# KiCad board motordecoder2-roomlight.kicad_pcb (continued)
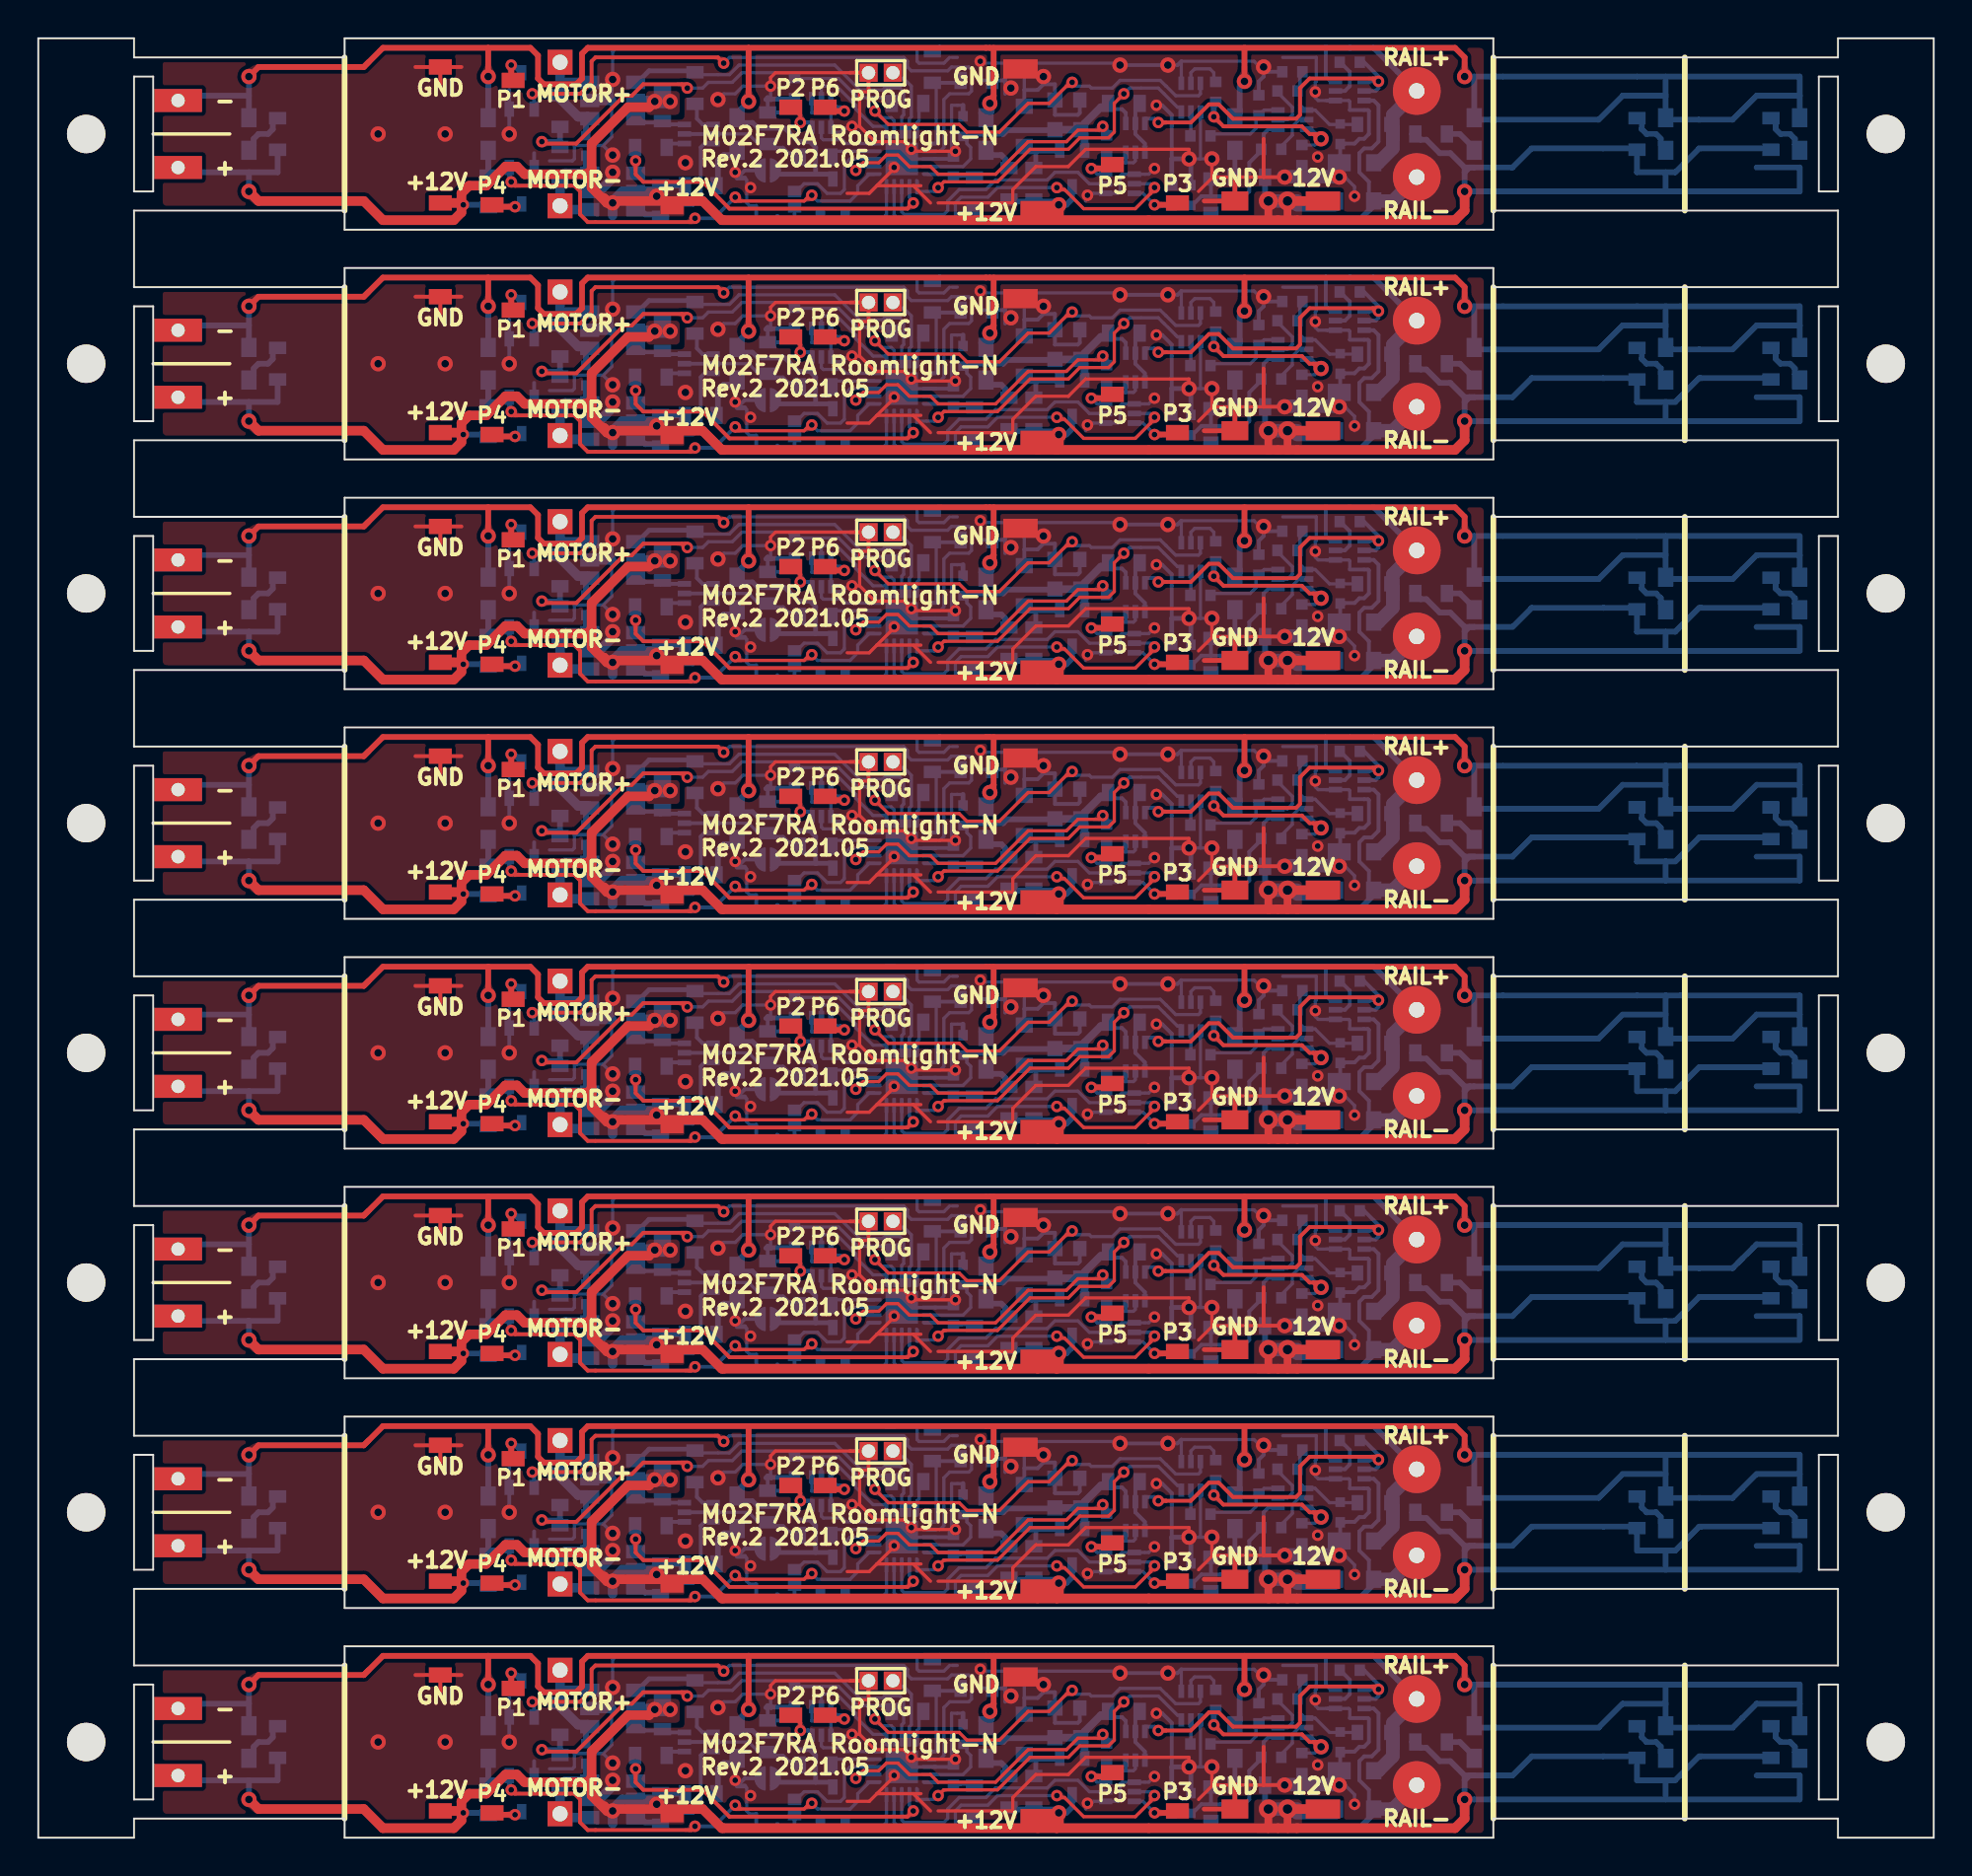
[diagram p0: board, top side]
## Nets (continued)
Net-(Q21-Pad3): Q21.3 Q21#2.3 Q21#3.3 Q21#4.3 Q21#5.3 Q21#6.3 Q21#7.3 Q21#8.3 R37.1 R37#2.1 R37#3.1 R37#4.1 R37#5.1 R37#6.1 R37#7.1 R37#8.1 R38.2 R38#2.2 R38#3.2 R38#4.2 R38#5.2 R38#6.2 R38#7.2 R38#8.2
Net-(Q21-Pad5): Q21.5 Q21#2.5 Q21#3.5 Q21#4.5 Q21#5.5 Q21#6.5 Q21#7.5 Q21#8.5 R35.1 R35#2.1 R35#3.1 R35#4.1 R35#5.1 R35#6.1 R35#7.1 R35#8.1
Net-(Q21-Pad6): Q21.6 Q21#2.6 Q21#3.6 Q21#4.6 Q21#5.6 Q21#6.6 Q21#7.6 Q21#8.6 R33.1 R33#2.1 R33#3.1 R33#4.1 R33#5.1 R33#6.1 R33#7.1 R33#8.1 R34.2 R34#2.2 R34#3.2 R34#4.2 R34#5.2 R34#6.2 R34#7.2 R34#8.2
Net-(Q22-Pad2): Q22.2 Q22#2.2 Q22#3.2 Q22#4.2 Q22#5.2 Q22#6.2 Q22#7.2 Q22#8.2 R34.1 R34#2.1 R34#3.1 R34#4.1 R34#5.1 R34#6.1 R34#7.1 R34#8.1
Net-(Q22-Pad5): Q22.5 Q22#2.5 Q22#3.5 Q22#4.5 Q22#5.5 Q22#6.5 Q22#7.5 Q22#8.5 R38.1 R38#2.1 R38#3.1 R38#4.1 R38#5.1 R38#6.1 R38#7.1 R38#8.1
Net-(R1-Pad2): R1.2 R1#2.2 R1#3.2 R1#4.2 R1#5.2 R1#6.2 R1#7.2 R1#8.2 R17.1 R17#2.1 R17#3.1 R17#4.1 R17#5.1 R17#6.1 R17#7.1 R17#8.1 U2.1 U2#2.1 U2#3.1 U2#4.1 U2#5.1 U2#6.1 U2#7.1 U2#8.1
Net-(R10-Pad1): R9.1 R9#2.1 R9#3.1 R9#4.1 R9#5.1 R9#6.1 R9#7.1 R9#8.1 R10.1 R10#2.1 R10#3.1 R10#4.1 R10#5.1 R10#6.1 R10#7.1 R10#8.1 R11.2 R11#2.2 R11#3.2 R11#4.2 R11#5.2 R11#6.2 R11#7.2 R11#8.2 R16.1 R16#2.1 R16#3.1 R16#4.1 R16#5.1 R16#6.1 R16#7.1 R16#8.1
Net-(R18-Pad1): R2.2 R2#2.2 R2#3.2 R2#4.2 R2#5.2 R2#6.2 R2#7.2 R2#8.2 R18.1 R18#2.1 R18#3.1 R18#4.1 R18#5.1 R18#6.1 R18#7.1 R18#8.1 U2.5 U2#2.5 U2#3.5 U2#4.5 U2#5.5 U2#6.5 U2#7.5 U2#8.5

## Via types
v1: diameter 0.8, hole 0.4, Top to Bottom, 248 vias
v2: diameter 1, hole 0.5, Top to Bottom, 16 vias
v3: diameter 0.6, hole 0.3, Top to Bottom, 336 vias

## Routing (per net, layer and track width the routed paths; a pad name or vN(x,y) marks a point on that pad's centre or on a via; arc(x,y) is an arc through that point)
+5V: length 130
  Bottom w0.17: 48.5,76.9 48.5,76.6 ; 48.5,64.9 48.5,64.6 ; 48.5,52.9 48.5,52.6 ; 48.5,40.9 48.5,40.6 ; 48.5,28.9 48.5,28.6 ; 48.5,16.9 48.5,16.6 ; 48.5,4.9 48.5,4.6 ; C5#2.1 48.5,76.67 48.5,76.5 48.7,76.3 48.7,75.7 48.3,75.3 U2#2.4 ; C5#3.1 48.5,64.67 48.5,64.5 48.7,64.3 48.7,63.7 48.3,63.3 U2#3.4 ; C5#4.1 48.5,52.67 48.5,52.5 48.7,52.3 48.7,51.7 48.3,51.3 U2#4.4 ; C5#5.1 48.5,40.67 48.5,40.5 48.7,40.3 48.7,39.7 48.3,39.3 U2#5.4 ; C5#6.1 48.5,28.67 48.5,28.5 48.7,28.3 48.7,27.7 48.3,27.3 U2#6.4 ; C5#7.1 48.5,16.67 48.5,16.5 48.7,16.3 48.7,15.7 48.3,15.3 U2#7.4 ; C5#8.1 48.5,4.67 48.5,4.5 48.7,4.3 48.7,3.7 48.3,3.3 U2#8.4 ; 48.5,88.9 48.5,88.6 ; U2.4 48.3,87.3 48.7,87.7 48.7,88.3 48.5,88.5 48.5,88.67 C5.1
  Bottom w0.2: R14#2.2 56.18,78.3 56.6,78.3 56.8,78.1 Q6#2.1 ; R14#3.2 56.18,66.3 56.6,66.3 56.8,66.1 Q6#3.1 ; R14#4.2 56.18,54.3 56.6,54.3 56.8,54.1 Q6#4.1 ; R14#5.2 56.18,42.3 56.6,42.3 56.8,42.1 Q6#5.1 ; R14#6.2 56.18,30.3 56.6,30.3 56.8,30.1 Q6#6.1 ; R14#7.2 56.18,18.3 56.6,18.3 56.8,18.1 Q6#7.1 ; R14#8.2 56.18,6.3 56.6,6.3 56.8,6.1 Q6#8.1 ; 48.7,77 48.5,76.8 48.5,77 ; 48.7,65 48.5,64.8 48.5,65 ; 48.7,53 48.5,52.8 48.5,53 ; 48.7,41 48.5,40.8 48.5,41 ; 48.7,29 48.5,28.8 48.5,29 ; 48.7,17 48.5,16.8 48.5,17 ; 48.7,5 48.5,4.8 48.5,5 ; 48.4,76.78 C5#2.1 ; 48.4,64.78 C5#3.1 ; 48.4,52.78 C5#4.1 ; 48.4,40.78 C5#5.1 ; 48.4,28.78 C5#6.1 ; 48.4,16.78 C5#7.1 ; 48.4,4.78 C5#8.1 ; 48.4,88.78 C5.1 ; 48.5,89 48.5,88.8 48.7,89 ; Q6.1 56.8,90.1 56.6,90.3 56.18,90.3 R14.2
  Bottom w0.3: C3#2.1 53.07,77.2 50.6,77.2 50.4,77 48.43,77 C5#2.1 ; C3#3.1 53.07,65.2 50.6,65.2 50.4,65 48.43,65 C5#3.1 ; C3#4.1 53.07,53.2 50.6,53.2 50.4,53 48.43,53 C5#4.1 ; C3#5.1 53.07,41.2 50.6,41.2 50.4,41 48.43,41 C5#5.1 ; C3#6.1 53.07,29.2 50.6,29.2 50.4,29 48.43,29 C5#6.1 ; C3#7.1 53.07,17.2 50.6,17.2 50.4,17 48.43,17 C5#7.1 ; C3#8.1 53.07,5.2 50.6,5.2 50.4,5 48.43,5 C5#8.1 ; C5.1 48.43,89 50.4,89 50.6,89.2 53.07,89.2 C3.1
  Bottom w0.4: R14#2.2 55.68,78.4 55.5,78.4 54.65,77.55 54.65,76.75 ; R14#3.2 55.68,66.4 55.5,66.4 54.65,65.55 54.65,64.75 ; R14#4.2 55.68,54.4 55.5,54.4 54.65,53.55 54.65,52.75 ; R14#5.2 55.68,42.4 55.5,42.4 54.65,41.55 54.65,40.75 ; R14#6.2 55.68,30.4 55.5,30.4 54.65,29.55 54.65,28.75 ; R14#7.2 55.68,18.4 55.5,18.4 54.65,17.55 54.65,16.75 ; R14#8.2 55.68,6.4 55.5,6.4 54.65,5.55 54.65,4.75 ; 54.65,76.75 Q5#2.2 ; 54.65,76.75 54.65,76.97 C4#2.1 C3#2.1 53.03,77.3 ; 54.65,64.75 Q5#3.2 ; 54.65,64.75 54.65,64.97 C4#3.1 C3#3.1 53.03,65.3 ; 54.65,52.75 Q5#4.2 ; 54.65,52.75 54.65,52.97 C4#4.1 C3#4.1 53.03,53.3 ; 54.65,40.75 Q5#5.2 ; 54.65,40.75 54.65,40.97 C4#5.1 C3#5.1 53.03,41.3 ; 54.65,28.75 Q5#6.2 ; 54.65,28.75 54.65,28.97 C4#6.1 C3#6.1 53.03,29.3 ; 54.65,16.75 Q5#7.2 ; 54.65,16.75 54.65,16.97 C4#7.1 C3#7.1 53.03,17.3 ; 54.65,4.75 Q5#8.2 ; 54.65,4.75 54.65,4.97 C4#8.1 C3#8.1 53.03,5.3 ; Q5.2 54.65,88.75 ; 54.65,88.75 54.65,88.97 C4.1 C3.1 53.03,89.3 ; 54.65,88.75 54.65,89.55 55.5,90.4 55.68,90.4 R14.2
+12V: length 1236.4
  Top w0.25: 28.6,74.8 28.8,74.6 ; 28.6,62.8 28.8,62.6 ; 28.6,50.8 28.8,50.6 ; 28.6,38.8 28.8,38.6 ; 28.6,26.8 28.8,26.6 ; 28.6,14.8 28.8,14.6 ; 28.6,2.8 28.8,2.6 ; 28.6,75 28.8,75.2 ; 28.6,63 28.8,63.2 ; 28.6,51 28.8,51.2 ; 28.6,39 28.8,39.2 ; 28.6,27 28.8,27.2 ; 28.6,15 28.8,15.2 ; 28.6,3 28.8,3.2 ; J15#2.1 52.2,72.5 ; J15#3.1 52.2,60.5 ; J15#4.1 52.2,48.5 ; J15#5.1 52.2,36.5 ; J15#6.1 52.2,24.5 ; J15#7.1 52.2,12.5 ; J15#8.1 52.2,0.5 ; 28.6,87 28.8,87.2 ; J15.1 52.2,84.5 ; 28.6,86.8 28.8,86.6
  Top w0.4: v2(65.25,73.5) 65.25,72.5 ; v2(65.25,61.5) 65.25,60.5 ; v2(65.25,49.5) 65.25,48.5 ; v2(65.25,37.5) 65.25,36.5 ; v2(65.25,25.5) 65.25,24.5 ; v2(65.25,13.5) 65.25,12.5 ; v2(65.25,1.5) 65.25,0.5 ; v2(64.25,73.5) 64.25,72.5 ; v2(64.25,61.5) 64.25,60.5 ; v2(64.25,49.5) 64.25,48.5 ; v2(64.25,37.5) 64.25,36.5 ; v2(64.25,25.5) 64.25,24.5 ; v2(64.25,13.5) 64.25,12.5 ; v2(64.25,1.5) 64.25,0.5 ; v2(65.25,85.5) 65.25,84.5 ; v2(64.25,85.5) 64.25,84.5
  Top w0.5: v1(74.5,74) 74.5,73 74,72.5 53.2,72.5 ; v1(74.5,62) 74.5,61 74,60.5 53.2,60.5 ; v1(74.5,50) 74.5,49 74,48.5 53.2,48.5 ; v1(74.5,38) 74.5,37 74,36.5 53.2,36.5 ; v1(74.5,26) 74.5,25 74,24.5 53.2,24.5 ; v1(74.5,14) 74.5,13 74,12.5 53.2,12.5 ; v1(74.5,2) 74.5,1 74,0.5 53.2,0.5 ; 53.2,72.5 53.3,72.6 53.3,73.2 ; 53.2,72.5 35.7,72.5 34.7,73.5 30.1,73.5 v1(30,73.4) ; 53.2,60.5 53.3,60.6 53.3,61.2 ; 53.2,60.5 35.7,60.5 34.7,61.5 30.1,61.5 v1(30,61.4) ; 53.2,48.5 53.3,48.6 53.3,49.2 ; 53.2,48.5 35.7,48.5 34.7,49.5 30.1,49.5 v1(30,49.4) ; 53.2,36.5 53.3,36.6 53.3,37.2 ; 53.2,36.5 35.7,36.5 34.7,37.5 30.1,37.5 v1(30,37.4) ; 53.2,24.5 53.3,24.6 53.3,25.2 ; 53.2,24.5 35.7,24.5 34.7,25.5 30.1,25.5 v1(30,25.4) ; 53.2,12.5 53.3,12.6 53.3,13.2 ; 53.2,12.5 35.7,12.5 34.7,13.5 30.1,13.5 v1(30,13.4) ; 53.2,0.5 53.3,0.6 53.3,1.2 ; 53.2,0.5 35.7,0.5 34.7,1.5 30.1,1.5 v1(30,1.4) ; 28.5,74.9 28.6,74.9 ; 28.5,74.9 28.9,74.9 ; 28.5,74.9 25.4,74.9 25,75.3 24.4,75.3 23.4,74.3 22.5,74.3 22.1,73.9 22.1,72.9 21.7,72.5 18,72.5 17,73.5 11.5,73.5 v1(11,74) ; 28.5,62.9 28.6,62.9 ; 28.5,62.9 28.9,62.9 ; 28.5,62.9 25.4,62.9 25,63.3 24.4,63.3 23.4,62.3 22.5,62.3 22.1,61.9 22.1,60.9 21.7,60.5 18,60.5 17,61.5 11.5,61.5 v1(11,62) ; 28.5,50.9 28.6,50.9 ; 28.5,50.9 28.9,50.9 ; 28.5,50.9 25.4,50.9 25,51.3 24.4,51.3 23.4,50.3 22.5,50.3 22.1,49.9 22.1,48.9 21.7,48.5 18,48.5 17,49.5 11.5,49.5 v1(11,50) ; 28.5,38.9 28.6,38.9 ; 28.5,38.9 28.9,38.9 ; 28.5,38.9 25.4,38.9 25,39.3 24.4,39.3 23.4,38.3 22.5,38.3 22.1,37.9 22.1,36.9 21.7,36.5 18,36.5 17,37.5 11.5,37.5 v1(11,38) ; 28.5,26.9 28.6,26.9 ; 28.5,26.9 28.9,26.9 ; 28.5,26.9 25.4,26.9 25,27.3 24.4,27.3 23.4,26.3 22.5,26.3 22.1,25.9 22.1,24.9 21.7,24.5 18,24.5 17,25.5 11.5,25.5 v1(11,26) ; 28.5,14.9 28.6,14.9 ; 28.5,14.9 28.9,14.9 ; 28.5,14.9 25.4,14.9 25,15.3 24.4,15.3 23.4,14.3 22.5,14.3 22.1,13.9 22.1,12.9 21.7,12.5 18,12.5 17,13.5 11.5,13.5 v1(11,14) ; 28.5,2.9 28.6,2.9 ; 28.5,2.9 28.9,2.9 ; 28.5,2.9 25.4,2.9 25,3.3 24.4,3.3 23.4,2.3 22.5,2.3 22.1,1.9 22.1,0.9 21.7,0.5 18,0.5 17,1.5 11.5,1.5 v1(11,2) ; 28.9,74.9 28.9,76.5 30.8,78.4 31.9,78.4 v1(32.2,78.7) ; 28.9,74.9 28.9,74.2 29.7,73.4 v1(30,73.4) ; 28.9,62.9 28.9,64.5 30.8,66.4 31.9,66.4 v1(32.2,66.7) ; 28.9,62.9 28.9,62.2 29.7,61.4 v1(30,61.4) ; 28.9,50.9 28.9,52.5 30.8,54.4 31.9,54.4 v1(32.2,54.7) ; 28.9,50.9 28.9,50.2 29.7,49.4 v1(30,49.4) ; 28.9,38.9 28.9,40.5 30.8,42.4 31.9,42.4 v1(32.2,42.7) ; 28.9,38.9 28.9,38.2 29.7,37.4 v1(30,37.4) ; 28.9,26.9 28.9,28.5 30.8,30.4 31.9,30.4 v1(32.2,30.7) ; 28.9,26.9 28.9,26.2 29.7,25.4 v1(30,25.4) ; 28.9,14.9 28.9,16.5 30.8,18.4 31.9,18.4 v1(32.2,18.7) ; 28.9,14.9 28.9,14.2 29.7,13.4 v1(30,13.4) ; 28.9,2.9 28.9,4.5 30.8,6.4 31.9,6.4 v1(32.2,6.7) ; 28.9,2.9 28.9,2.2 29.7,1.4 v1(30,1.4) ; 67.2,73.5 v2(65.25,73.5) ; 67.2,61.5 v2(65.25,61.5) ; 67.2,49.5 v2(65.25,49.5) ; 67.2,37.5 v2(65.25,37.5) ; 67.2,25.5 v2(65.25,25.5) ; 67.2,13.5 v2(65.25,13.5) ; 67.2,1.5 v2(65.25,1.5) ; v1(30,73.4) 29.9,73.4 ; v1(30,73.4) 29.8,73.4 29.55,73.65 29.9,73.3 ; v1(30,61.4) 29.9,61.4 ; v1(30,61.4) 29.8,61.4 29.55,61.65 29.9,61.3 ; v1(30,49.4) 29.9,49.4 ; v1(30,49.4) 29.8,49.4 29.55,49.65 29.9,49.3 ; v1(30,37.4) 29.9,37.4 ; v1(30,37.4) 29.8,37.4 29.55,37.65 29.9,37.3 ; v1(30,25.4) 29.9,25.4 ; v1(30,25.4) 29.8,25.4 29.55,25.65 29.9,25.3 ; v1(30,13.4) 29.9,13.4 ; v1(30,13.4) 29.8,13.4 29.55,13.65 29.9,13.3 ; v1(30,1.4) 29.9,1.4 ; v1(30,1.4) 29.8,1.4 29.55,1.65 29.9,1.3 ; v3(22.2,73.3) 22.1,73.4 P10#2.1 ; v3(22.2,61.3) 22.1,61.4 P10#3.1 ; v3(22.2,49.3) 22.1,49.4 P10#4.1 ; v3(22.2,37.3) 22.1,37.4 P10#5.1 ; v3(22.2,25.3) 22.1,25.4 P10#6.1 ; v3(22.2,13.3) 22.1,13.4 P10#7.1 ; v3(22.2,1.3) 22.1,1.4 P10#8.1 ; 29.9,85.4 v1(30,85.4) ; v1(30,85.4) 29.8,85.4 29.55,85.65 29.9,85.3 ; v1(30,85.4) 29.7,85.4 28.9,86.2 28.9,86.9 ; v1(30,85.4) 30.1,85.5 34.7,85.5 35.7,84.5 53.2,84.5 ; 28.5,86.9 25.4,86.9 25,87.3 24.4,87.3 23.4,86.3 22.5,86.3 22.1,85.9 22.1,84.9 21.7,84.5 18,84.5 17,85.5 11.5,85.5 v1(11,86) ; 28.5,86.9 28.6,86.9 ; 28.5,86.9 28.9,86.9 ; 67.2,85.5 v2(65.25,85.5) ; 28.9,86.9 28.9,88.5 30.8,90.4 31.9,90.4 v1(32.2,90.7) ; 53.2,84.5 53.3,84.6 53.3,85.2 ; 53.2,84.5 74,84.5 74.5,85 v1(74.5,86) ; v3(22.2,85.3) 22.1,85.4 P10.1
  Bottom w0.3: 75,75.25 77,75.25 78,76.25 83.5,76.25 ; 75,75.25 74.5,75.25 ; 75,75.25 74.75,75.25 74.5,75 ; 75,63.25 77,63.25 78,64.25 83.5,64.25 ; 75,63.25 74.5,63.25 ; 75,63.25 74.75,63.25 74.5,63 ; 75,51.25 77,51.25 78,52.25 83.5,52.25 ; 75,51.25 74.5,51.25 ; 75,51.25 74.75,51.25 74.5,51 ; 75,39.25 77,39.25 78,40.25 83.5,40.25 ; 75,39.25 74.5,39.25 ; 75,39.25 74.75,39.25 74.5,39 ; 75,27.25 77,27.25 78,28.25 83.5,28.25 ; 75,27.25 74.5,27.25 ; 75,27.25 74.75,27.25 74.5,27 ; 75,15.25 77,15.25 78,16.25 83.5,16.25 ; 75,15.25 74.5,15.25 ; 75,15.25 74.75,15.25 74.5,15 ; 75,3.25 77,3.25 78,4.25 83.5,4.25 ; 75,3.25 74.5,3.25 ; 75,3.25 74.75,3.25 74.5,3 ; 74.5,75.25 74.5,75 ; 74.5,75.25 73.75,76 73.2,76 72.5,76.7 72.22,76.7 R43#2.1 71.75,77 ; 74.5,75 v1(74.5,74) 85,74 ; 74.5,63.25 74.5,63 ; 74.5,63.25 73.75,64 73.2,64 72.5,64.7 72.22,64.7 R43#3.1 71.75,65 ; 74.5,63 v1(74.5,62) 85,62 ; 74.5,51.25 74.5,51 ; 74.5,51.25 73.75,52 73.2,52 72.5,52.7 72.22,52.7 R43#4.1 71.75,53 ; 74.5,51 v1(74.5,50) 85,50 ; 74.5,39.25 74.5,39 ; 74.5,39.25 73.75,40 73.2,40 72.5,40.7 72.22,40.7 R43#5.1 71.75,41 ; 74.5,39 v1(74.5,38) 85,38 ; 74.5,27.25 74.5,27 ; 74.5,27.25 73.75,28 73.2,28 72.5,28.7 72.22,28.7 R43#6.1 71.75,29 ; 74.5,27 v1(74.5,26) 85,26 ; 74.5,15.25 74.5,15 ; 74.5,15.25 73.75,16 73.2,16 72.5,16.7 72.22,16.7 R43#7.1 71.75,17 ; 74.5,15 v1(74.5,14) 85,14 ; 74.5,3.25 74.5,3 ; 74.5,3.25 73.75,4 73.2,4 72.5,4.7 72.22,4.7 R43#8.1 71.75,5 ; 74.5,3 v1(74.5,2) 85,2 ; 85,75 85.5,75 86.75,76.25 90.5,76.25 ; 85,75 83.5,75 R42#2.1 ; 85,75 85,74 ; 85,63 85.5,63 86.75,64.25 90.5,64.25 ; 85,63 83.5,63 R42#3.1 ; 85,63 85,62 ; 85,51 85.5,51 86.75,52.25 90.5,52.25 ; 85,51 83.5,51 R42#4.1 ; 85,51 85,50 ; 85,39 85.5,39 86.75,40.25 90.5,40.25 ; 85,39 83.5,39 R42#5.1 ; 85,39 85,38 ; 85,27 85.5,27 86.75,28.25 90.5,28.25 ; 85,27 83.5,27 R42#6.1 ; 85,27 85,26 ; 85,15 85.5,15 86.75,16.25 90.5,16.25 ; 85,15 83.5,15 R42#7.1 ; 85,15 85,14 ; 85,3 85.5,3 86.75,4.25 90.5,4.25 ; 85,3 83.5,3 R42#8.1 ; 85,3 85,2 ; 85,74 92,74 92,75.25 89.75,75.25 ; 85,62 92,62 92,63.25 89.75,63.25 ; 85,50 92,50 92,51.25 89.75,51.25 ; 85,38 92,38 92,39.25 89.75,39.25 ; 85,26 92,26 92,27.25 89.75,27.25 ; 85,14 92,14 92,15.25 89.75,15.25 ; 85,2 92,2 92,3.25 89.75,3.25 ; v1(11,74) 11,75 ; 11,75 12.5,75 12.5,76.25 ; 11,75 8,75 7.75,75.25 ; v1(11,62) 11,63 ; 11,63 12.5,63 12.5,64.25 ; 11,63 8,63 7.75,63.25 ; v1(11,50) 11,51 ; 11,51 12.5,51 12.5,52.25 ; 11,51 8,51 7.75,51.25 ; v1(11,38) 11,39 ; 11,39 12.5,39 12.5,40.25 ; 11,39 8,39 7.75,39.25 ; v1(11,26) 11,27 ; 11,27 12.5,27 12.5,28.25 ; 11,27 8,27 7.75,27.25 ; v1(11,14) 11,15 ; 11,15 12.5,15 12.5,16.25 ; 11,15 8,15 7.75,15.25 ; v1(11,2) 11,3 ; 11,3 12.5,3 12.5,4.25 ; 11,3 8,3 7.75,3.25 ; 23.58,73.17 R47#2.1 23.38,73.3 v3(22.2,73.3) ; 23.58,61.17 R47#3.1 23.38,61.3 v3(22.2,61.3) ; 23.58,49.17 R47#4.1 23.38,49.3 v3(22.2,49.3) ; 23.58,37.17 R47#5.1 23.38,37.3 v3(22.2,37.3) ; 23.58,25.17 R47#6.1 23.38,25.3 v3(22.2,25.3) ; 23.58,13.17 R47#7.1 23.38,13.3 v3(22.2,13.3) ; 23.58,1.17 R47#8.1 23.38,1.3 v3(22.2,1.3) ; Q5#2.3 54,73.6 53.7,73.3 v1(53.3,73.3) 53.12,73.47 50.7,73.47 ; Q5#3.3 54,61.6 53.7,61.3 v1(53.3,61.3) 53.12,61.47 50.7,61.47 ; Q5#4.3 54,49.6 53.7,49.3 v1(53.3,49.3) 53.12,49.47 50.7,49.47 ; Q5#5.3 54,37.6 53.7,37.3 v1(53.3,37.3) 53.12,37.47 50.7,37.47 ; Q5#6.3 54,25.6 53.7,25.3 v1(53.3,25.3) 53.12,25.47 50.7,25.47 ; Q5#7.3 54,13.6 53.7,13.3 v1(53.3,13.3) 53.12,13.47 50.7,13.47 ; Q5#8.3 54,1.6 53.7,1.3 v1(53.3,1.3) 53.12,1.47 50.7,1.47 ; v2(64.25,73.5) 64.07,73.67 R44#2.1 ; v2(64.25,61.5) 64.07,61.67 R44#3.1 ; v2(64.25,49.5) 64.07,49.67 R44#4.1 ; v2(64.25,37.5) 64.07,37.67 R44#5.1 ; v2(64.25,25.5) 64.07,25.67 R44#6.1 ; v2(64.25,13.5) 64.07,13.67 R44#7.1 ; v2(64.25,1.5) 64.07,1.67 R44#8.1 ; R4#2.1 32.53,74.3 R46#2.1 ; R4#3.1 32.53,62.3 R46#3.1 ; R4#4.1 32.53,50.3 R46#4.1 ; R4#5.1 32.53,38.3 R46#5.1 ; R4#6.1 32.53,26.3 R46#6.1 ; R4#7.1 32.53,14.3 R46#7.1 ; R4#8.1 32.53,2.3 R46#8.1 ; v1(33,78.7) 32.58,79.12 32.5,79.12 32.5,79 v1(32.2,78.7) ; v1(33,66.7) 32.58,67.12 32.5,67.12 32.5,67 v1(32.2,66.7) ; v1(33,54.7) 32.58,55.12 32.5,55.12 32.5,55 v1(32.2,54.7) ; v1(33,42.7) 32.58,43.12 32.5,43.12 32.5,43 v1(32.2,42.7) ; v1(33,30.7) 32.58,31.12 32.5,31.12 32.5,31 v1(32.2,30.7) ; v1(33,18.7) 32.58,19.12 32.5,19.12 32.5,19 v1(32.2,18.7) ; v1(33,6.7) 32.58,7.12 32.5,7.12 32.5,7 v1(32.2,6.7) ; v2(64.25,85.5) 64.07,85.67 R44.1 ; 75,87.25 74.75,87.25 74.5,87 ; 75,87.25 77,87.25 78,88.25 83.5,88.25 ; 75,87.25 74.5,87.25 ; 11,87 8,87 7.75,87.25 ; 11,87 v1(11,86) ; 11,87 12.5,87 12.5,88.25 ; 74.5,87.25 74.5,87 ; 74.5,87.25 73.75,88 73.2,88 72.5,88.7 72.22,88.7 R43.1 71.75,89 ; 74.5,87 v1(74.5,86) 85,86 ; 85,86 92,86 92,87.25 89.75,87.25 ; 85,86 85,87 ; 90.5,88.25 86.75,88.25 85.5,87 85,87 ; Q5.3 54,85.6 53.7,85.3 v1(53.3,85.3) 53.12,85.47 50.7,85.47 ; R4.1 32.53,86.3 R46.1 ; R42.1 83.5,87 85,87 ; v1(32.2,90.7) 32.5,91 32.5,91.12 32.58,91.12 v1(33,90.7) ; v3(22.2,85.3) 23.38,85.3 R47.1 23.58,85.17
  Bottom w0.4: v1(32.3,73.75) 32.5,73.95 R4#2.1 ; v1(32.3,61.75) 32.5,61.95 R4#3.1 ; v1(32.3,49.75) 32.5,49.95 R4#4.1 ; v1(32.3,37.75) 32.5,37.95 R4#5.1 ; v1(32.3,25.75) 32.5,25.95 R4#6.1 ; v1(32.3,13.75) 32.5,13.95 R4#7.1 ; v1(32.3,1.75) 32.5,1.95 R4#8.1 ; R4.1 32.5,85.95 v1(32.3,85.75)
  Bottom w0.5: 30,72.75 30,73.5 30.5,74 Q2#2.2 32.17,74 R4#2.1 ; 30,60.75 30,61.5 30.5,62 Q2#3.2 32.17,62 R4#3.1 ; 30,48.75 30,49.5 30.5,50 Q2#4.2 32.17,50 R4#4.1 ; 30,36.75 30,37.5 30.5,38 Q2#5.2 32.17,38 R4#5.1 ; 30,24.75 30,25.5 30.5,26 Q2#6.2 32.17,26 R4#6.1 ; 30,12.75 30,13.5 30.5,14 Q2#7.2 32.17,14 R4#7.1 ; 30,0.75 30,1.5 30.5,2 Q2#8.2 32.17,2 R4#8.1 ; Q1#2.2 31.95,78.75 32,78.7 v1(32.2,78.7) ; Q1#3.2 31.95,66.75 32,66.7 v1(32.2,66.7) ; Q1#4.2 31.95,54.75 32,54.7 v1(32.2,54.7) ; Q1#5.2 31.95,42.75 32,42.7 v1(32.2,42.7) ; Q1#6.2 31.95,30.75 32,30.7 v1(32.2,30.7) ; Q1#7.2 31.95,18.75 32,18.7 v1(32.2,18.7) ; Q1#8.2 31.95,6.75 32,6.7 v1(32.2,6.7) ; 30,84.75 30,85.5 30.5,86 Q2.2 32.17,86 R4.1 ; Q1.2 31.95,90.75 32,90.7 v1(32.2,90.7)
  Bottom w0.7: 67.75,73.3 65.75,73.3 ; 67.75,61.3 65.75,61.3 ; 67.75,49.3 65.75,49.3 ; 67.75,37.3 65.75,37.3 ; 67.75,25.3 65.75,25.3 ; 67.75,13.3 65.75,13.3 ; 67.75,1.3 65.75,1.3 ; v2(65.25,73.5) v2(64.25,73.5) ; v2(65.25,61.5) v2(64.25,61.5) ; v2(65.25,49.5) v2(64.25,49.5) ; v2(65.25,37.5) v2(64.25,37.5) ; v2(65.25,25.5) v2(64.25,25.5) ; v2(65.25,13.5) v2(64.25,13.5) ; v2(65.25,1.5) v2(64.25,1.5) ; 65.75,73.5 65,73.5 ; 65.75,61.5 65,61.5 ; 65.75,49.5 65,49.5 ; 65.75,37.5 65,37.5 ; 65.75,25.5 65,25.5 ; 65.75,13.5 65,13.5 ; 65.75,1.5 65,1.5 ; v1(32.2,78.7) v1(33,78.7) ; v1(32.2,66.7) v1(33,66.7) ; v1(32.2,54.7) v1(33,54.7) ; v1(32.2,42.7) v1(33,42.7) ; v1(32.2,30.7) v1(33,30.7) ; v1(32.2,18.7) v1(33,18.7) ; v1(32.2,6.7) v1(33,6.7) ; v1(32.2,90.7) v1(33,90.7) ; v2(65.25,85.5) v2(64.25,85.5) ; 65.75,85.5 65,85.5 ; 67.75,85.3 65.75,85.3
GND: length 1406.5
  Top w0.17: v1(61.3,75.7) 61.3,74.8 61.35,74.75 ; v1(61.3,63.7) 61.3,62.8 61.35,62.75 ; v1(61.3,51.7) 61.3,50.8 61.35,50.75 ; v1(61.3,39.7) 61.3,38.8 61.35,38.75 ; v1(61.3,27.7) 61.3,26.8 61.35,26.75 ; v1(61.3,15.7) 61.3,14.8 61.35,14.75 ; v1(61.3,3.7) 61.3,2.8 61.35,2.75 ; 60.6,74 61.35,74.75 ; 61.35,74.75 64,74.75 ; 60.6,62 61.35,62.75 ; 61.35,62.75 64,62.75 ; 60.6,50 61.35,50.75 ; 61.35,50.75 64,50.75 ; 60.6,38 61.35,38.75 ; 61.35,38.75 64,38.75 ; 60.6,26 61.35,26.75 ; 61.35,26.75 64,26.75 ; 60.6,14 61.35,14.75 ; 61.35,14.75 64,14.75 ; 60.6,2 61.35,2.75 ; 61.35,2.75 64,2.75 ; 43.8,74.3 46.1,74.3 ; 43.8,74.3 43.4,73.9 42.25,73.9 ; 43.8,74.3 44.7,75.2 44.7,75.3 v3(44.7,75.25) ; 43.8,62.3 46.1,62.3 ; 43.8,62.3 43.4,61.9 42.25,61.9 ; 43.8,62.3 44.7,63.2 44.7,63.3 v3(44.7,63.26) ; 43.8,50.3 46.1,50.3 ; 43.8,50.3 43.4,49.9 42.25,49.9 ; 43.8,50.3 44.7,51.2 44.7,51.3 v3(44.7,51.25) ; 43.8,38.3 46.1,38.3 ; 43.8,38.3 43.4,37.9 42.25,37.9 ; 43.8,38.3 44.7,39.2 44.7,39.3 v3(44.7,39.25) ; 43.8,26.3 46.1,26.3 ; 43.8,26.3 43.4,25.9 42.25,25.9 ; 43.8,26.3 44.7,27.2 44.7,27.3 v3(44.7,27.25) ; 43.8,14.3 46.1,14.3 ; 43.8,14.3 43.4,13.9 42.25,13.9 ; 43.8,14.3 44.7,15.2 44.7,15.3 v3(44.7,15.25) ; 43.8,2.3 46.1,2.3 ; 43.8,2.3 43.4,1.9 42.25,1.9 ; 43.8,2.3 44.7,3.2 44.7,3.3 v3(44.7,3.25) ; v1(60.1,75.7) 60.1,76.2 54.7,76.2 53.8,75.3 52.1,75.3 50.9,74.1 50.9,73.4 47,73.4 ; v1(60.1,63.7) 60.1,64.2 54.7,64.2 53.8,63.3 52.1,63.3 50.9,62.1 50.9,61.4 47,61.4 ; v1(60.1,51.7) 60.1,52.2 54.7,52.2 53.8,51.3 52.1,51.3 50.9,50.1 50.9,49.4 47,49.4 ; v1(60.1,39.7) 60.1,40.2 54.7,40.2 53.8,39.3 52.1,39.3 50.9,38.1 50.9,37.4 47,37.4 ; v1(60.1,27.7) 60.1,28.2 54.7,28.2 53.8,27.3 52.1,27.3 50.9,26.1 50.9,25.4 47,25.4 ; v1(60.1,15.7) 60.1,16.2 54.7,16.2 53.8,15.3 52.1,15.3 50.9,14.1 50.9,13.4 47,13.4 ; v1(60.1,3.7) 60.1,4.2 54.7,4.2 53.8,3.3 52.1,3.3 50.9,2.1 50.9,1.4 47,1.4 ; v3(47.9,76.1) 45.5,76.1 ; v3(47.9,64.1) 45.5,64.1 ; v3(47.9,52.1) 45.5,52.1 ; v3(47.9,40.1) 45.5,40.1 ; v3(47.9,28.1) 45.5,28.1 ; v3(47.9,16.1) 45.5,16.1 ; v3(47.9,4.1) 45.5,4.1 ; 42.9,77.4 42.9,79.2 43.33,79.2 43.37,79.23 ; 42.9,77.4 43.7,76.6 45.2,76.6 v3(45.6,76.2) ; 42.9,77.4 v3(42.5,77.4) ; 42.9,65.4 42.9,67.2 43.33,67.2 43.37,67.23 ; 42.9,65.4 43.7,64.6 45.2,64.6 v3(45.6,64.2) ; 42.9,65.4 v3(42.5,65.4) ; 42.9,53.4 42.9,55.2 43.33,55.2 43.37,55.23 ; 42.9,53.4 43.7,52.6 45.2,52.6 v3(45.6,52.2) ; 42.9,53.4 v3(42.5,53.4) ; 42.9,41.4 42.9,43.2 43.33,43.2 43.37,43.23 ; 42.9,41.4 43.7,40.6 45.2,40.6 v3(45.6,40.2) ; 42.9,41.4 v3(42.5,41.4) ; 42.9,29.4 42.9,31.2 43.33,31.2 43.37,31.23 ; 42.9,29.4 43.7,28.6 45.2,28.6 v3(45.6,28.2) ; 42.9,29.4 v3(42.5,29.4) ; 42.9,17.4 42.9,19.2 43.33,19.2 43.37,19.23 ; 42.9,17.4 43.7,16.6 45.2,16.6 v3(45.6,16.2) ; 42.9,17.4 v3(42.5,17.4) ; 42.9,5.4 42.9,7.2 43.33,7.2 43.37,7.23 ; 42.9,5.4 43.7,4.6 45.2,4.6 v3(45.6,4.2) ; 42.9,5.4 v3(42.5,5.4) ; 42.4,80.2 38.5,80.2 38.25,79.95 v3(38.25,79.5) ; 42.4,68.2 38.5,68.2 38.25,67.95 v3(38.25,67.5) ; 42.4,56.2 38.5,56.2 38.25,55.95 v3(38.25,55.5) ; 42.4,44.2 38.5,44.2 38.25,43.95 v3(38.25,43.5) ; 42.4,32.2 38.5,32.2 38.25,31.95 v3(38.25,31.5) ; 42.4,20.2 38.5,20.2 38.25,19.95 v3(38.25,19.5) ; 42.4,8.2 38.5,8.2 38.25,7.95 v3(38.25,7.5) ; 45.7,74.3 46.6,73.4 ; 45.7,62.3 46.6,61.4 ; 45.7,50.3 46.6,49.4 ; 45.7,38.3 46.6,37.4 ; 45.7,26.3 46.6,25.4 ; 45.7,14.3 46.6,13.4 ; 45.7,2.3 46.6,1.4 ; v3(38.25,91.5) 38.25,91.95 38.5,92.2 42.4,92.2 ; 43.8,86.3 43.4,85.9 42.25,85.9 ; 43.8,86.3 44.7,87.2 44.7,87.3 v3(44.7,87.25) ; 43.8,86.3 46.1,86.3 ; 43.37,91.23 43.33,91.2 42.9,91.2 42.9,89.4 ; 47,85.4 50.9,85.4 50.9,86.1 52.1,87.3 53.8,87.3 54.7,88.2 60.1,88.2 v1(60.1,87.7) ; 61.35,86.75 61.3,86.8 v1(61.3,87.7) ; 61.35,86.75 64,86.75 ; 61.35,86.75 60.6,86 ; 42.9,89.4 v3(42.5,89.4) ; 42.9,89.4 43.7,88.6 45.2,88.6 v3(45.6,88.2) ; v3(47.9,88.1) 45.5,88.1 ; 45.7,86.3 46.6,85.4
  Top w0.2: 64,76.75 64,74.75 65.25,74.75 ; 64,64.75 64,62.75 65.25,62.75 ; 64,52.75 64,50.75 65.25,50.75 ; 64,40.75 64,38.75 65.25,38.75 ; 64,28.75 64,26.75 65.25,26.75 ; 64,16.75 64,14.75 65.25,14.75 ; 64,4.75 64,2.75 65.25,2.75 ; 43.37,79.23 P9#2.2 42.4,80.2 ; 43.37,67.23 P9#3.2 42.4,68.2 ; 43.37,55.23 P9#4.2 42.4,56.2 ; 43.37,43.23 P9#5.2 42.4,44.2 ; 43.37,31.23 P9#6.2 42.4,32.2 ; 43.37,19.23 P9#7.2 42.4,20.2 ; 43.37,7.23 P9#8.2 42.4,8.2 ; P11#2.1 22.1,80.5 ; P11#2.1 21,79.6 ; P11#2.1 19.7,80.5 ; P11#3.1 22.1,68.5 ; P11#3.1 21,67.6 ; P11#3.1 19.7,68.5 ; P11#4.1 22.1,56.5 ; P11#4.1 21,55.6 ; P11#4.1 19.7,56.5 ; P11#5.1 22.1,44.5 ; P11#5.1 21,43.6 ; P11#5.1 19.7,44.5 ; P11#6.1 22.1,32.5 ; P11#6.1 21,31.6 ; P11#6.1 19.7,32.5 ; P11#7.1 22.1,20.5 ; P11#7.1 21,19.6 ; P11#7.1 19.7,20.5 ; P11#8.1 22.1,8.5 ; P11#8.1 21,7.6 ; P11#8.1 19.7,8.5 ; 43.37,91.23 P9.2 42.4,92.2 ; 65.25,86.75 64,86.75 64,88.75 ; P11.1 22.1,92.5 ; P11.1 21,91.6 ; P11.1 19.7,92.5
  Top w0.25: 60.9,73.5 P8#2.1 62.5,74.7 62.55,74.75 ; 60.9,61.5 P8#3.1 62.5,62.7 62.55,62.75 ; 60.9,49.5 P8#4.1 62.5,50.7 62.55,50.75 ; 60.9,37.5 P8#5.1 62.5,38.7 62.55,38.75 ; 60.9,25.5 P8#6.1 62.5,26.7 62.55,26.75 ; 60.9,13.5 P8#7.1 62.5,14.7 62.55,14.75 ; 60.9,1.5 P8#8.1 62.5,2.7 62.55,2.75 ; 60.9,85.5 P8.1 62.5,86.7 62.55,86.75